# KiCad board VME_Protoboard_220.kicad_pcb (continued)
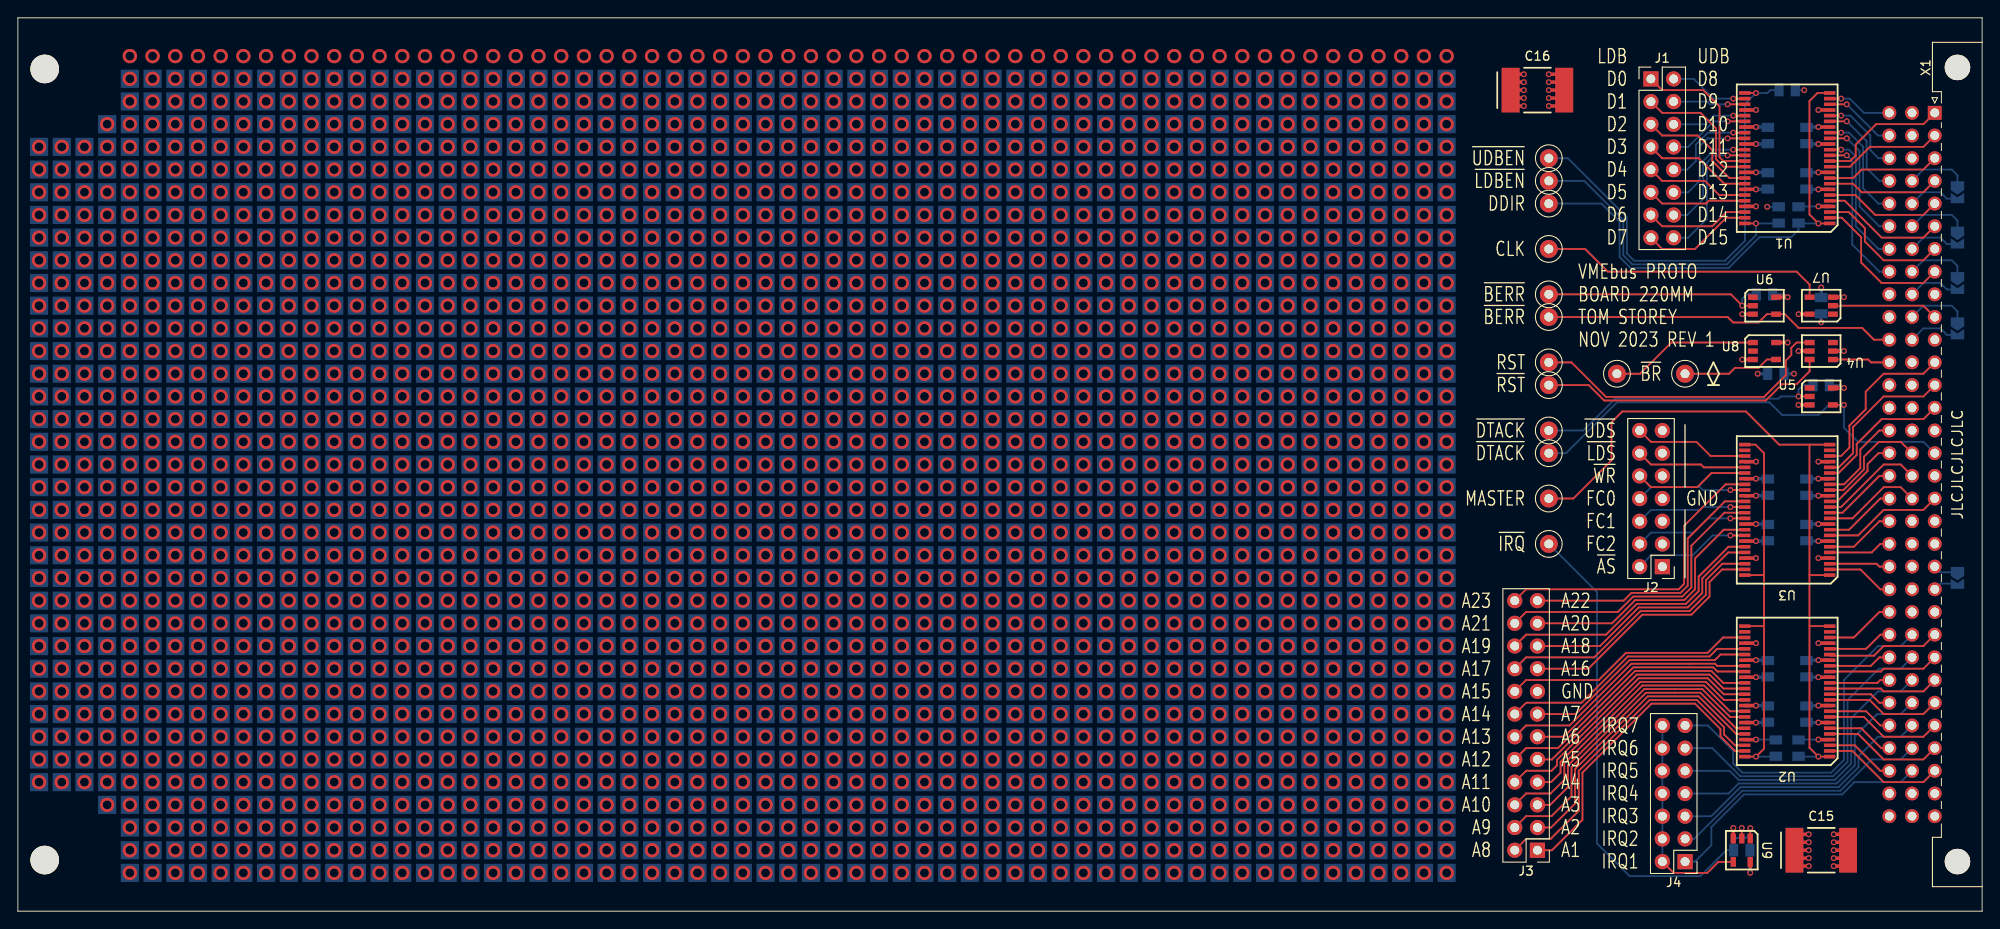
[diagram p0: board, top side]
## Routing (per net, layer and track width the routed paths; a pad name or vN(x,y) marks a point on that pad's centre or on a via; arc(x,y) is an arc through that point) (continued)
/A1: length 35.8
  Top w0.203: J3.1 171.64,6.82 175.04,10.22 175.04,15.51 182.76,23.23 187.64,23.23 190.48,20.38 190.48,19.57 192.12,17.93 U2.47
/A2: length 33.3
  Top w0.203: J3.3 171.53,9.36 174.23,12.05 174.23,15.91 182.35,24.04 188.04,24.04 192.25,19.84 U2.44
/A3: length 31.3
  Top w0.203: U2.41 191.56,21.74 188.45,24.85 181.95,24.85 173.41,16.32 173.41,13.88 171.43,11.9 J3.5
/A4: length 29.4
  Top w0.203: J3.7 171.53,14.44 172.6,15.51 172.6,16.73 181.54,25.67 188.86,25.67 190.88,23.65 U2.38
/A5: length 27.8
  Top w0.203: U2.36 190.83,24.92 189.26,26.48 181.14,26.48 171.64,16.98 J3.9
/A6: length 26.6
  Top w0.203: U2.33 190.14,26.82 189.67,27.29 180.73,27.29 172.96,19.52 J3.11
/A7: length 26
  Top w0.203: U2.30 190.5,28.73 189.87,28.11 180.32,28.11 174.28,22.06 J3.13
/A8: length 37.9
  Top w0.203: J3.2 168.74,8.09 171.48,8.09 174.63,11.24 174.63,15.71 182.56,23.63 187.84,23.63 190.89,20.59 190.89,19.77 192.1,18.57 U2.46
/A9: length 35.5
  Top w0.203: U2.43 192.22,20.47 188.24,24.45 185.41,24.45 185.4,24.45 182.15,24.45 173.82,16.12 173.82,12.87 171.58,10.63 168.74,10.63 J3.4
/A10: length 33.5
  Top w0.203: J3.6 168.74,13.17 171.48,13.17 173.01,14.69 173.01,16.52 181.74,25.26 188.65,25.26 191.54,22.38 U2.40
/A11: length 31.6
  Top w0.203: U2.37 190.85,24.28 189.06,26.07 181.34,26.07 172.19,16.93 172.19,16.32 171.58,15.71 168.74,15.71 J3.8
/A12: length 30.4
  Top w0.203: U2.35 190.8,25.55 189.47,26.89 180.93,26.89 172.3,18.25 168.74,18.25 J3.10
/A13: length 29.2
  Top w0.203: J3.12 168.74,20.79 173.62,20.79 180.52,27.7 187.23,27.7 187.23,27.7 189.87,27.7 190.11,27.46 U2.32
/A14: length 28.8
  Top w0.203: U2.29 190.11,29.36 189.26,28.51 180.12,28.51 174.94,23.33 168.74,23.33 J3.14
/A15: length 28.2
  Top w0.203: J3.16 168.74,25.87 176.87,25.87 179.92,28.92 189.06,28.92 190.77,30.63 U2.27
/A16: length 28.7
  Top w0.203: J3.17 175.7,27.14 181.74,33.19 187.23,33.19 189.26,35.22 189.26,36.84 190.67,38.25 U3.47
/A17: length 31.5
  Top w0.203: J3.18 168.74,28.41 176.36,28.41 181.54,33.59 187.03,33.59 188.86,35.42 188.86,37.05 190.7,38.89 U3.46
/A18: length 28.5
  Top w0.203: J3.19 177.02,29.68 181.34,34 186.82,34 188.45,35.62 188.45,37.25 191.36,40.16 U3.44
/A19: length 31.3
  Top w0.203: U3.43 191.38,40.79 188.04,37.45 188.04,35.83 186.62,34.4 181.14,34.4 177.68,30.95 168.74,30.95 J3.20
/A20: length 29.6
  Top w0.203: U3.40 190.85,42.7 187.64,39.48 187.64,36.03 186.42,34.81 180.93,34.81 178.34,32.22 J3.21
/A21: length 33.6
  Top w0.203: J3.22 168.74,33.49 179,33.49 180.73,35.22 186.22,35.22 187.23,36.23 187.23,40.91 190.93,44.6 U3.37
/A22: length 30.9
  Top w0.203: U3.35 190.98,45.87 186.82,41.72 186.82,36.43 186.01,35.62 180.53,35.62 179.66,34.76 J3.23
/A23: length 34.9
  Top w0.203: U3.32 191.05,47.78 186.42,43.14 186.42,36.64 185.81,36.03 168.74,36.03 J3.24
/D0: length 17.6
  Top w0.203: U1.37 190.8,83.97 190.38,84.39 190.38,90.08 188.55,91.91 183.96,91.91 J1.1
/D1: length 15.5
  Top w0.203: U1.38 190.83,83.34 189.98,84.19 189.98,87.64 188.25,89.37 183.96,89.37 J1.3
/D2: length 13.7
  Top w0.203: J1.5 183.96,86.83 187.95,86.83 189.57,85.2 189.57,83.98 191.49,82.07 U1.40
/D3: length 12.2
  Top w0.203: U1.41 190.9,81.43 188.04,84.29 183.96,84.29 J1.7
/D4: length 11.7
  Top w0.203: J1.9 183.96,81.75 188.76,81.75 190.34,80.16 U1.43
/D5: length 11.1
  Top w0.203: J1.11 183.96,79.21 188.86,79.21 189.17,79.53 U1.44
/D6: length 11.7
  Top w0.203: J1.13 183.96,76.67 189.57,76.67 191.16,78.26 U1.46
/D7: length 12.5
  Top w0.203: J1.15 183.96,74.13 187.64,74.13 191.13,77.62 U1.47
/D8: length 8.9
  Top w0.203: U1.26 v2(191.92,90.96)
  Bottom w0.203: v2(191.92,90.96) 189.71,90.96 187.5,93.16 J1.2
/D9: length 8.1
  Top w0.203: U1.27 v2(191.28,90.32)
  Bottom w0.203: v2(191.28,90.32) 189.33,90.32 189.02,90.62 J1.4
/D10: length 8.4
  Top w0.203: U1.29 v2(191.92,89.05)
  Bottom w0.203: v2(191.92,89.05) 189.76,89.05 188.79,88.08 J1.6
/D11: length 9.1
  Top w0.203: U1.30 v2(191.28,88.42)
  Bottom w0.203: J1.8 186.86,85.54 189.73,88.42 v2(191.28,88.42)
/D12: length 10.7
  Top w0.203: U1.32 v2(191.92,87.15)
  Bottom w0.203: J1.10 186.76,83 187.74,83.99 187.74,85.81 189.07,87.15 v2(191.92,87.15)
/D13: length 12.7
  Top w0.203: U1.33 v2(191.28,86.51)
  Bottom w0.203: J1.12 186.86,80.46 188.15,81.75 188.15,85.61 189.05,86.51 v2(191.28,86.51)
/D14: length 13.5
  Top w0.203: U1.35 v2(191.92,85.24)
  Bottom w0.203: J1.14 186.76,77.92 188.55,79.72 188.55,83.99 189.81,85.24 v2(191.92,85.24)
/D15: length 15.5
  Top w0.203: U1.36 v2(191.28,84.61)
  Bottom w0.203: J1.16 186.86,75.38 188.96,77.48 188.96,83.78 189.78,84.61 v2(191.28,84.61)
/DDIR: length 56
  Top w0.203: U1.1 v2(201.44,76.99) 200.44,77.99 200.44,90.69 201.34,91.59 U1.24
  Bottom w0.203: TP2.1 177.17,79.21 179.2,77.18 179.2,73.22 180.42,72 191.4,72 194.85,75.45 198.41,75.45 199.22,76.26 R1.2 199.26,76.99 v2(201.44,76.99)
/FC0: length 12.4
  Top w0.203: U3.33 v2(191.6,47.14)
  Bottom w0.203: v2(191.6,47.14) 188.51,47.14 188.2,47.46 182.72,47.46 181.44,46.18
/FC0`: length 12.8
  Top w0.203: U3.16 204.24,47.14 206.54,49.44 206.54,50.86 208.21,52.54 210.65,52.54 X1.b16
/FC1: length 12.4
  Top w0.203: U3.36 v2(191.6,45.24)
  Bottom w0.203: 181.44,43.64 182.72,44.92 188.2,44.92 188.51,45.24 v2(191.6,45.24)
/FC1`: length 11.7
  Top w0.203: U3.13 203.98,45.24 208.75,50 210.65,50 X1.b17
/FC2: length 12.9
  Top w0.203: U3.38 v2(191.6,43.97)
  Bottom w0.203: v2(191.6,43.97) 189.07,43.97 187.49,42.38 182.72,42.38 181.44,41.1
/FC2`: length 11.2
  Top w0.203: X1.b18 210.65,47.46 208.75,47.46 205.25,43.97 U3.11
/MASTER: length 82.9
  Top w0.203: 200.44,37.66 200.44,18.3 v2(201.44,17.3) U2.1 ; 200.44,37.66 200.44,52.22 ; 200.44,37.66 200.48,37.62 U3.1 ; TP4.1 174.02,46.19 178.29,50.46 178.29,54.72 179.51,55.94 193.33,55.94 197.05,52.22 200.44,52.22 ; U2.24 200.5,31.9 200.44,31.97 ; 200.44,52.22 U3.24
  Bottom w0.203: R4.2 199.26,17.3 v2(201.44,17.3)
/SA1: length 13.7
  Top w0.203: X1.a30 213.19,14.44 208.75,14.44 205.25,17.93 U2.2
/SA2: length 13.5
  Top w0.203: U2.5 205.89,19.84 208.75,16.98 213.19,16.98 X1.a29
/SA3: length 13.2
  Top w0.203: U2.8 206.52,21.74 208.75,19.52 213.19,19.52 X1.a28
/SA4: length 12.9
  Top w0.203: U2.11 207.16,23.65 208.75,22.06 213.19,22.06 X1.a27
/SA5: length 12.4
  Top w0.203: X1.a26 213.19,24.6 208.75,24.6 208.43,24.92 U2.13
/SA6: length 12.4
  Top w0.203: X1.a25 213.19,27.14 208.75,27.14 208.43,26.82 U2.16
/SA7: length 12.8
  Top w0.203: U2.19 202.7,28.69 202.8,28.59 207.66,28.59 208.75,29.68 213.19,29.68 X1.a24
/SA8: length 7.9
  Top w0.203: X1.c30 208.36,15.71 205.51,18.57 U2.3
/SA9: length 7.6
  Top w0.203: X1.c29 208.47,18.25 206.24,20.47 U2.6
/SA10: length 7.3
  Top w0.203: U2.9 206.78,22.38 208.36,20.79 X1.c28
/SA11: length 7.1
  Top w0.203: U2.12 207.31,24.28 208.26,23.33 X1.c27
/SA12: length 6.8
  Top w0.203: U2.14 208.05,25.55 208.36,25.87 X1.c26
/SA13: length 7.1
  Top w0.203: U2.17 207.31,27.46 208.26,28.41 X1.c25
/SA14: length 7.3
  Top w0.203: U2.20 206.78,29.36 208.36,30.95 X1.c24
/SA15: length 7.9
  Top w0.203: U2.22 205.4,30.63 208.26,33.49 X1.c23
/SA16: length 7.6
  Top w0.203: U3.2 206.14,38.25 208.36,36.03 X1.c22
/SA17: length 6.8
  Top w0.203: U3.3 207.94,38.89 208.26,38.57 X1.c21
/SA18: length 7.1
  Top w0.203: X1.c20 208.36,41.11 207.41,40.16 U3.5
/SA19: length 7.9
  Top w0.203: U3.6 205.4,40.79 208.26,43.65 X1.c19
/SA20: length 8.1
  Top w0.203: X1.c18 208.36,46.19 204.87,42.7 U3.9
/SA21: length 8.4
  Top w0.203: U3.12 204.13,44.6 208.26,48.73 X1.c17
/SA22: length 9.4
  Top w0.203: X1.c16 208.16,51.27 206.94,50.05 206.94,49.28 203.54,45.87 U3.14
/SA23: length 10.4
  Top w0.203: U3.17 204.3,47.78 206.13,49.61 206.13,51.68 208.26,53.81 X1.c15
/SD0: length 14.7
  Top w0.203: U1.12 205,83.97 205.62,84.59 205.62,85.81 207.91,88.1 213.19,88.1 X1.a1
/SD1: length 13.2
  Top w0.203: U1.11 204.97,83.34 207.2,85.56 213.19,85.56 X1.a2
/SD2: length 12.7
  Top w0.203: U1.9 205.33,82.07 206.28,83.02 213.19,83.02 X1.a3
/SD3: length 12.7
  Top w0.203: U1.8 205.33,81.43 206.28,80.48 213.19,80.48 X1.a4
/SD4: length 13.2
  Top w0.203: X1.a5 213.19,77.94 207.81,77.94 205.58,80.16 U1.6
/SD5: length 14
  Top w0.203: U1.5 204.39,79.53 208.52,75.4 213.19,75.4 X1.a6
/SD6: length 15.4
  Top w0.203: U1.3 204.85,78.26 206.64,76.47 206.64,74.97 208.75,72.86 213.19,72.86 X1.a7
/SD7: length 17
  Top w0.203: U1.2 204.06,77.62 206.23,75.45 206.23,72.61 208.52,70.32 213.19,70.32 X1.a8
/SD8: length 7.3
  Top w0.203: U1.23 v2(203.98,90.96)
  Bottom w0.203: X1.c1 206.54,89.37 204.95,90.96 v2(203.98,90.96)
/SD9: length 8.1
  Top w0.203: U1.22 v2(204.62,90.32)
  Bottom w0.203: v2(204.62,90.32) 208.11,86.83 X1.c2
/SD10: length 9.6
  Top w0.203: U1.20 v2(203.98,89.05)
  Bottom w0.203: X1.c3 208.16,84.29 207.25,85.2 207.25,86.83 205.02,89.05 v2(203.98,89.05)
/SD11: length 11.2
  Top w0.203: U1.19 v2(204.62,88.42)
  Bottom w0.203: X1.c4 208.26,81.75 206.84,83.17 206.84,86.19 v2(204.62,88.42)
/SD12: length 12.7
  Top w0.203: U1.17 v2(203.98,87.15)
  Bottom w0.203: v2(203.98,87.15) 204.88,87.15 206.44,85.58 206.44,80.93 208.16,79.21 X1.c5
/SD13: length 14.4
  Top w0.203: U1.16 v2(204.62,86.51)
  Bottom w0.203: v2(204.62,86.51) 206.04,85.09 206.04,78.9 208.26,76.67 X1.c6
/SD14: length 15.9
  Top w0.203: U1.14 v2(203.98,85.24)
  Bottom w0.203: v2(203.98,85.24) 204.88,85.24 205.63,84.48 205.63,76.66 208.16,74.13 X1.c7
/SD15: length 17.6
  Top w0.203: U1.13 v2(204.62,84.61)
  Bottom w0.203: v2(204.62,84.61) 205.23,83.99 205.23,74.62 208.26,71.59 X1.c8
/SYSCLK: length 32.2
  Top w0.203: U7.4 200.46,70.15 199.02,71.59 177.88,71.59 175.34,74.13 TP9.1
/SYSCLK`: length 11.9
  Top w0.203: X1.a10 213.19,67.78 U7.2
/SYSRESET: length 34.7
  Top w0.203: U4.4 199,63.65 198.41,63.06 198.41,62.24 197.8,61.63 197.8,60.01 195.36,57.57 177.68,57.57 173.82,61.43 TP11.1
/~{AS`}: length 13.5
  Top w0.203: U3.8 205.89,42.06 208.75,44.92 213.19,44.92 X1.a18
/~{AS}: length 13.2
  Top w0.203: U3.41 v2(191.6,42.06)
  Bottom w0.203: 181.44,38.56 182.72,39.84 187.38,39.84 189.61,42.06 v2(191.6,42.06)
/~{BERR_DRV}: length 25.9
  Top w0.203: TP6.1 191.65,69.05 v2(192.92,67.78) U6.2
  Bottom w0.203: v2(192.92,67.78) 192.92,68.54 193.44,69.06 R7.2
/~{BERR`}: length 39.9
  Top w0.203: X1.c11 207.65,63.97 206.33,65.29 199.22,65.29 197.68,66.83 U6.4 195.68,66.83 194.75,65.9 191.9,65.9 191.3,66.51 TP8.1
/~{BG0IN}: length 7
  Bottom w0.203: 217,81.2 217,82.38 216.37,83.02 213.19,83.02 X1.b4
/~{BG0OUT}: length 5.9
  Bottom w0.203: JP2.2 215.82,79.75 215.09,80.48 213.19,80.48 X1.b5
/~{BG1IN}: length 7
  Bottom w0.203: X1.b6 213.19,77.94 216.37,77.94 217,77.3 JP3.1
/~{BG1OUT}: length 5.9
  Bottom w0.203: X1.b7 213.19,75.4 215.09,75.4 215.82,74.67 JP3.2
/~{BG2IN}: length 7
  Bottom w0.203: X1.b8 213.19,72.86 216.37,72.86 217,72.22 JP4.1
/~{BG2OUT}: length 5.9
  Bottom w0.203: X1.b9 213.19,70.32 215.09,70.32 215.82,69.59 JP4.2
/~{BG3IN}: length 7
  Bottom w0.203: X1.b10 213.19,67.78 216.37,67.78 217,67.14 JP5.1
/~{BG3OUT}: length 5.9
  Bottom w0.203: 217,64.51 215.82,64.51 215.09,65.24 213.19,65.24 X1.b11
/~{BR}: length 16.7
  Top w0.203: TP12.1 181.49,60.16 184.98,63.65 U8.1
/~{DTACK_DRV}: length 33.4
  Top w0.203: v2(199.22,57.62) U5.2
  Bottom w0.203: TP5.1 175.14,53.81 178.7,57.37 196.98,57.37 197.24,57.62 v2(199.22,57.62) 199.22,58.38 199.73,58.89 R6.2
/~{DTACK`}: length 51.6
  Top w0.203: U5.4 v2(204.3,56.67)
  Bottom w0.203: X1.a16 213.19,52.54 205.87,52.54 204.3,54.11 v2(204.3,56.67) 202.59,56.67 201.46,55.54 197.39,55.54 195.97,56.96 178.9,56.96 173.21,51.27 TP7.1
/~{IACKIN}: length 2.8
  Bottom w0.203: JP1.1 216.91,37.93 215.09,37.93 X1.a21
/~{IACKOUT}: length 2.8
  Bottom w0.203: 217,36.57 216.91,36.66 215.09,36.66 X1.a22
/~{IRQ1`}: length 30.8
  Bottom w0.203: X1.b30 210.65,14.44 205.47,14.44 204.1,13.07 193.12,13.07 189.47,9.41 189.47,7.38 187.63,5.54 J4.1
/~{IRQ2`}: length 29.6
  Bottom w0.203: X1.b29 210.65,16.98 207.4,16.98 203.89,13.47 192.92,13.47 187.53,8.08 J4.3
/~{IRQ3`}: length 30.3
  Bottom w0.203: J4.5 189.46,10.62 192.72,13.88 203.69,13.88 205.93,16.12 205.93,17.34 208.11,19.52 210.65,19.52 X1.b28
/~{IRQ4`}: length 31.5
  Bottom w0.203: J4.7 191.39,13.16 192.52,14.29 203.49,14.29 205.51,16.31 205.51,19.56 208.01,22.06 210.65,22.06 X1.b27
/~{IRQ5`}: length 33.4
  Bottom w0.203: X1.b26 210.65,24.6 208.11,24.6 205.11,21.6 205.11,16.52 203.28,14.69 192.51,14.69 191.5,15.7 J4.9
/~{IRQ6`}: length 36.3
  Bottom w0.203: X1.b25 210.65,27.14 208.21,27.14 204.71,23.63 204.71,16.73 203.08,15.1 192.72,15.1 192.72,15.1 189.57,18.25 186.53,18.25
/~{IRQ7`}: length 40
  Bottom w0.203: 186.53,20.78 189.06,20.78 191.9,17.95 191.9,16.52 192.92,15.51 202.88,15.51 204.3,16.93 204.3,25.87 208.11,29.68 210.65,29.68 X1.b24
/~{IRQ}: length 58.8
  Top w0.203: v2(193.82,9.29) U9.1
  Bottom w0.203: v2(193.82,9.29) 193.82,8.68 193.33,8.19 192.31,8.19 191.96,7.84 R8.1 191.14,6.82 188.25,3.92 180.32,3.92 176.66,7.58 176.66,35.73 TP13.1
/~{LDBEN}: length 35.9
  Top w0.203: U1.48 v2(194.46,76.99)
  Bottom w0.203: R3.2 196.96,76.99 v2(194.46,76.99) 194.46,75.67 191.19,72.4 180.63,72.4 179.61,73.42 179.61,77.38 175.24,81.75 TP1.1
/~{LDS`}: length 17.3
  Top w0.203: U3.20 203.73,49.68 205.32,51.27 205.32,54.19 208.75,57.62 213.19,57.62 X1.a13
/~{LDS}: length 12.4
  Top w0.203: U3.29 188.62,49.68 188.3,50 182.71,50 181.44,51.26
/~{SYSRESET`}: length 6.5
  Top w0.203: X1.c12 207.35,61.43 207.03,61.75 U4.1
/~{SYSRESET}: length 32.6
  Top w0.203: TP10.1 175.75,58.89 177.48,57.16 195.56,57.16 197.39,58.99 199.02,58.99 200.46,60.43 U4.6
/~{UDBEN}: length 51
  Top w0.203: U1.25 v2(194.46,91.59)
  Bottom w0.203: R2.2 196.07,91.91 195.75,91.59 v2(194.46,91.59) 193.23,90.36 193.23,75.04 190.99,72.81 180.83,72.81 180.02,73.62 180.02,77.69 173.41,84.29 TP3.1
/~{UDS`}: length 18.7
  Top w0.203: X1.a12 213.19,60.16 208.75,60.16 206.74,58.15 206.74,56.18 204.91,54.35 204.91,51.88 203.98,50.95 U3.22
/~{UDS}: length 12.9
  Top w0.203: 181.44,53.8 182.71,52.54 187.79,52.54 189.38,50.95 U3.27
/~{WRITE`}: length 15.5
  Top w0.203: U3.19 203.7,49.05 205.72,51.07 205.72,52.29 208.52,55.08 213.19,55.08 X1.a14
/~{WRITE}: length 12.9
  Top w0.203: U3.30 189.48,49.05 187.89,47.46 182.71,47.46 181.44,48.72
Net-(J4-Pad10): length 24.2
  Top w0.203: U9.4 190.25,5.52 189.01,4.28 185.25,4.28 J4.2
  Bottom w0.203: J4.2 J4.4 J4.6 J4.8 J4.10 183.99,20.78
Net-(R5-Pad2): length 44.8
  Top w0.203: 195.36,37.66 195.36,51.27 194.41,52.22 U3.25 ; 195.36,37.66 195.32,37.62 U3.48 ; 195.36,37.66 195.36,18.2 v2(194.46,17.3) U2.48 ; 195.36,31.97 195.3,31.9 U2.25
  Bottom w0.203: R5.2 196.64,17.3 v2(194.46,17.3)
Net-(TP14-Pad1): length 10.8
  Top w0.203: TP14.1 191.45,60.16 192.11,60.82 194.75,60.82 195.68,61.75 U8.4

## Copper pours and planes (outline as drawn; the poured copper is in the pictures)
+5V on Bottom: 169.38,89.37 161.44,89.37 161.44,94.64 11.45,94.64 11.45,96.99 169.38,96.99
+5V on In2.Cu: 219.54,3.01 161.44,3.01 161.44,96.99 219.54,96.99
GND on Bottom (solid shape): 13.55,3.26 11.51,3.26 11.51,5.3 13.55,5.3
GND on Bottom (solid shape): 16.09,3.26 14.05,3.26 14.05,5.3 16.09,5.3
GND on Bottom (solid shape): 18.63,3.26 16.59,3.26 16.59,5.3 18.63,5.3
GND on Bottom (solid shape): 21.17,3.26 19.13,3.26 19.13,5.3 21.17,5.3
GND on Bottom (solid shape): 23.71,3.26 21.67,3.26 21.67,5.3 23.71,5.3
GND on Bottom (solid shape): 26.25,3.26 24.21,3.26 24.21,5.3 26.25,5.3
GND on Bottom (solid shape): 28.79,3.26 26.75,3.26 26.75,5.3 28.79,5.3
GND on Bottom (solid shape): 31.33,3.26 29.29,3.26 29.29,5.3 31.33,5.3
GND on Bottom (solid shape): 33.87,3.26 31.83,3.26 31.83,5.3 33.87,5.3
GND on Bottom (solid shape): 36.41,3.26 34.37,3.26 34.37,5.3 36.41,5.3
GND on Bottom (solid shape): 38.95,3.26 36.91,3.26 36.91,5.3 38.95,5.3
GND on Bottom (solid shape): 41.49,3.26 39.45,3.26 39.45,5.3 41.49,5.3
GND on Bottom (solid shape): 44.03,3.26 41.99,3.26 41.99,5.3 44.03,5.3
GND on Bottom (solid shape): 46.57,3.26 44.53,3.26 44.53,5.3 46.57,5.3
GND on Bottom (solid shape): 49.11,3.26 47.07,3.26 47.07,5.3 49.11,5.3
GND on Bottom (solid shape): 51.65,3.26 49.61,3.26 49.61,5.3 51.65,5.3
GND on Bottom (solid shape): 54.19,3.26 52.15,3.26 52.15,5.3 54.19,5.3
GND on Bottom (solid shape): 56.73,3.26 54.69,3.26 54.69,5.3 56.73,5.3
GND on Bottom (solid shape): 59.27,3.26 57.23,3.26 57.23,5.3 59.27,5.3
GND on Bottom (solid shape): 61.81,3.26 59.77,3.26 59.77,5.3 61.81,5.3
GND on Bottom (solid shape): 64.35,3.26 62.31,3.26 62.31,5.3 64.35,5.3
GND on Bottom (solid shape): 66.89,3.26 64.85,3.26 64.85,5.3 66.89,5.3
GND on Bottom (solid shape): 69.43,3.26 67.39,3.26 67.39,5.3 69.43,5.3
GND on Bottom (solid shape): 71.97,3.26 69.93,3.26 69.93,5.3 71.97,5.3
GND on Bottom (solid shape): 74.51,3.26 72.47,3.26 72.47,5.3 74.51,5.3
GND on Bottom (solid shape): 77.05,3.26 75.01,3.26 75.01,5.3 77.05,5.3
GND on Bottom (solid shape): 79.59,3.26 77.55,3.26 77.55,5.3 79.59,5.3
GND on Bottom (solid shape): 82.13,3.26 80.09,3.26 80.09,5.3 82.13,5.3
GND on Bottom (solid shape): 84.67,3.26 82.63,3.26 82.63,5.3 84.67,5.3
GND on Bottom (solid shape): 87.21,3.26 85.17,3.26 85.17,5.3 87.21,5.3
GND on Bottom (solid shape): 89.75,3.26 87.71,3.26 87.71,5.3 89.75,5.3
GND on Bottom (solid shape): 92.29,3.26 90.25,3.26 90.25,5.3 92.29,5.3
GND on Bottom (solid shape): 94.83,3.26 92.79,3.26 92.79,5.3 94.83,5.3
GND on Bottom (solid shape): 97.37,3.26 95.33,3.26 95.33,5.3 97.37,5.3
GND on Bottom (solid shape): 99.91,3.26 97.87,3.26 97.87,5.3 99.91,5.3
GND on Bottom (solid shape): 102.45,3.26 100.41,3.26 100.41,5.3 102.45,5.3
GND on Bottom (solid shape): 104.99,3.26 102.95,3.26 102.95,5.3 104.99,5.3
GND on Bottom (solid shape): 107.53,3.26 105.49,3.26 105.49,5.3 107.53,5.3
GND on Bottom (solid shape): 110.07,3.26 108.03,3.26 108.03,5.3 110.07,5.3
GND on Bottom (solid shape): 112.61,3.26 110.57,3.26 110.57,5.3 112.61,5.3
GND on Bottom (solid shape): 115.15,3.26 113.11,3.26 113.11,5.3 115.15,5.3
GND on Bottom (solid shape): 117.69,3.26 115.65,3.26 115.65,5.3 117.69,5.3
GND on Bottom (solid shape): 120.23,3.26 118.19,3.26 118.19,5.3 120.23,5.3
GND on Bottom (solid shape): 122.77,3.26 120.73,3.26 120.73,5.3 122.77,5.3
GND on Bottom (solid shape): 125.31,3.26 123.27,3.26 123.27,5.3 125.31,5.3
GND on Bottom (solid shape): 127.85,3.26 125.81,3.26 125.81,5.3 127.85,5.3
GND on Bottom (solid shape): 130.39,3.26 128.35,3.26 128.35,5.3 130.39,5.3
GND on Bottom (solid shape): 132.93,3.26 130.89,3.26 130.89,5.3 132.93,5.3
GND on Bottom (solid shape): 135.47,3.26 133.43,3.26 133.43,5.3 135.47,5.3
GND on Bottom (solid shape): 138.01,3.26 135.97,3.26 135.97,5.3 138.01,5.3
GND on Bottom (solid shape): 140.55,3.26 138.51,3.26 138.51,5.3 140.55,5.3
GND on Bottom (solid shape): 143.09,3.26 141.05,3.26 141.05,5.3 143.09,5.3
GND on Bottom (solid shape): 145.63,3.26 143.59,3.26 143.59,5.3 145.63,5.3
GND on Bottom (solid shape): 148.17,3.26 146.13,3.26 146.13,5.3 148.17,5.3
GND on Bottom (solid shape): 150.71,3.26 148.67,3.26 148.67,5.3 150.71,5.3
GND on Bottom (solid shape): 153.25,3.26 151.21,3.26 151.21,5.3 153.25,5.3
GND on Bottom (solid shape): 155.79,3.26 153.75,3.26 153.75,5.3 155.79,5.3
GND on Bottom (solid shape): 158.33,3.26 156.29,3.26 156.29,5.3 158.33,5.3
GND on Bottom (solid shape): 160.87,3.26 158.83,3.26 158.83,5.3 160.87,5.3
GND on In1.Cu: 219.54,3.02 0.78,3.02 0.78,97 219.54,97
GND on In2.Cu: 161.12,3.01 0.78,3.01 0.78,96.99 161.12,96.99
(no net) on Bottom: 203.66,34.12 202.4,34.12 202.4,35.39 203.66,35.39
(no net) on Bottom: 185.88,31.58 184.62,31.58 184.62,32.85 185.88,32.85
(no net) on Bottom: 180.81,31.58 179.53,31.58 179.53,32.85 180.81,32.85
(no net) on Bottom: 178.26,64.6 177,64.6 177,65.87 178.26,65.87
(no net) on Bottom: 190.97,31.58 189.69,31.58 189.69,32.85 190.97,32.85
(no net) on Bottom: 196.04,34.12 194.78,34.12 194.78,35.39 196.04,35.39
(no net) on Bottom: 183.34,64.6 182.07,64.6 182.07,65.87 183.34,65.87
(no net) on Bottom: 185.88,29.04 184.62,29.04 184.62,30.31 185.88,30.31
(no net) on Bottom: 188.43,29.04 187.16,29.04 187.16,30.31 188.43,30.31
(no net) on Bottom: 190.97,51.9 189.69,51.9 189.69,53.17 190.97,53.17
(no net) on Bottom: 193.5,34.12 192.24,34.12 192.24,35.39 193.5,35.39
(no net) on Bottom: 178.26,67.14 177,67.14 177,68.41 178.26,68.41
(no net) on Bottom: 185.88,64.6 184.62,64.6 184.62,65.87 185.88,65.87
(no net) on Bottom: 177.63,90 176.36,90 176.36,91.27 177.63,91.27
(no net) on Bottom: 188.43,67.14 187.16,67.14 187.16,68.41 188.43,68.41
(no net) on Bottom: 177.63,92.54 176.36,92.54 176.36,93.81 177.63,93.81
(no net) on Bottom: 180.81,29.04 179.53,29.04 179.53,30.31 180.81,30.31
(no net) on Bottom: 188.43,26.5 187.16,26.5 187.16,27.77 188.43,27.77
(no net) on Bottom: 185.88,67.14 184.62,67.14 184.62,68.41 185.88,68.41
(no net) on Bottom: 190.97,34.12 189.69,34.12 189.69,35.39 190.97,35.39
(no net) on Bottom: 177.63,87.46 176.36,87.46 176.36,88.73 177.63,88.73
(no net) on Bottom: 188.43,31.58 187.16,31.58 187.16,32.85 188.43,32.85
(no net) on Bottom: 183.34,67.14 182.07,67.14 182.07,68.41 183.34,68.41
(no net) on Bottom: 185.88,26.5 184.62,26.5 184.62,27.77 185.88,27.77
(no net) on Bottom: 183.34,26.5 182.07,26.5 182.07,27.77 183.34,27.77
(no net) on Bottom: 190.97,26.5 189.69,26.5 189.69,27.77 190.97,27.77
(no net) on Bottom: 198.59,34.12 197.31,34.12 197.31,35.39 198.59,35.39
(no net) on Bottom: 188.43,34.12 187.16,34.12 187.16,35.39 188.43,35.39
(no net) on Bottom: 206.09,34.13 204.82,34.13 204.82,35.4 206.09,35.4
(no net) on Bottom: 180.81,26.5 179.53,26.5 179.53,27.77 180.81,27.77
(no net) on Bottom: 180.81,67.14 179.53,67.14 179.53,68.41 180.81,68.41
(no net) on Bottom: 188.43,64.6 187.16,64.6 187.16,65.87 188.43,65.87
(no net) on Bottom: 183.34,31.58 182.07,31.58 182.07,32.85 183.34,32.85
(no net) on Bottom: 190.97,29.04 189.69,29.04 189.69,30.31 190.97,30.31
(no net) on Bottom: 180.81,64.6 179.53,64.6 179.53,65.87 180.81,65.87
(no net) on Bottom: 201.12,34.12 199.85,34.12 199.85,35.39 201.12,35.39
(no net) on Bottom: 183.34,29.04 182.07,29.04 182.07,30.31 183.34,30.31

Small or netless copper shapes (teardrops, artwork), in the pictures only: 2183 on Bottom

## Text on the board
B.Silkscreen: A23 / A21 / A19 / A17 / A15 / A14 / A13 / A12 / A11 / A10 / A9 / A8 | ~{UDBEN} | ~{LDBEN} | DDIR | CLK | ~{BERR} | RST | ~{RST} | ~{DTACK} | MASTER | ~{IRQ} | ~{UDS} / ~{LDS} / ~{WR} / FC0 / FC1 / FC2 / ~{AS} | LDB / D0 / D1 / D2 / D3 / D4 / D5 / D6 / D7 | IRQ7 / IRQ6 / IRQ5 / IRQ4 / IRQ3 / IRQ2 / IRQ1 | ~{BR} | +5V | GND | A22 / A20 / A18 / A16 / GND / A7 / A6 / A5 / A4 / A3 / A2 / A1 | UDB / D8 / D9 / D10 / D11 / D12 / D13 / D14 / D15 | BG3 | BG0 | IACK
F.Silkscreen: JLCJLCJLCJLC | A22 / A20 / A18 / A16 / GND / A7 / A6 / A5 / A4 / A3 / A2 / A1 | VMEbus PROTO / BOARD 220MM / TOM STOREY / NOV 2023 REV ${REVISION} | GND | UDB / D8 / D9 / D10 / D11 / D12 / D13 / D14 / D15 | ~{BR} | A23 / A21 / A19 / A17 / A15 / A14 / A13 / A12 / A11 / A10 / A9 / A8 | ~{UDBEN} | ~{LDBEN} | DDIR | CLK | ~{BERR} | RST | ~{RST} | ~{DTACK} | MASTER | ~{IRQ} | ~{UDS} / ~{LDS} / ~{WR} / FC0 / FC1 / FC2 / ~{AS} | LDB / D0 / D1 / D2 / D3 / D4 / D5 / D6 / D7 | IRQ7 / IRQ6 / IRQ5 / IRQ4 / IRQ3 / IRQ2 / IRQ1
